# Altium PCB Pleiades_Frouf.PcbDoc (part 4 of 12)
Units mil, origin at the board's own origin, x right, y up, seen from the top; angles counter-clockwise.
Board outline 12244.09 x 4515.28 mil, 12 copper layers (TOP, GND1, IN1, GND2, POW1, GND3, POW2, GND4, GND5, IN2, GND6, BOT), stack 63.546 mil thick; 1442 components, 702 nets, 4419 pads, 1756 vias.
Unrouted connection lines stored in the file: 1088.
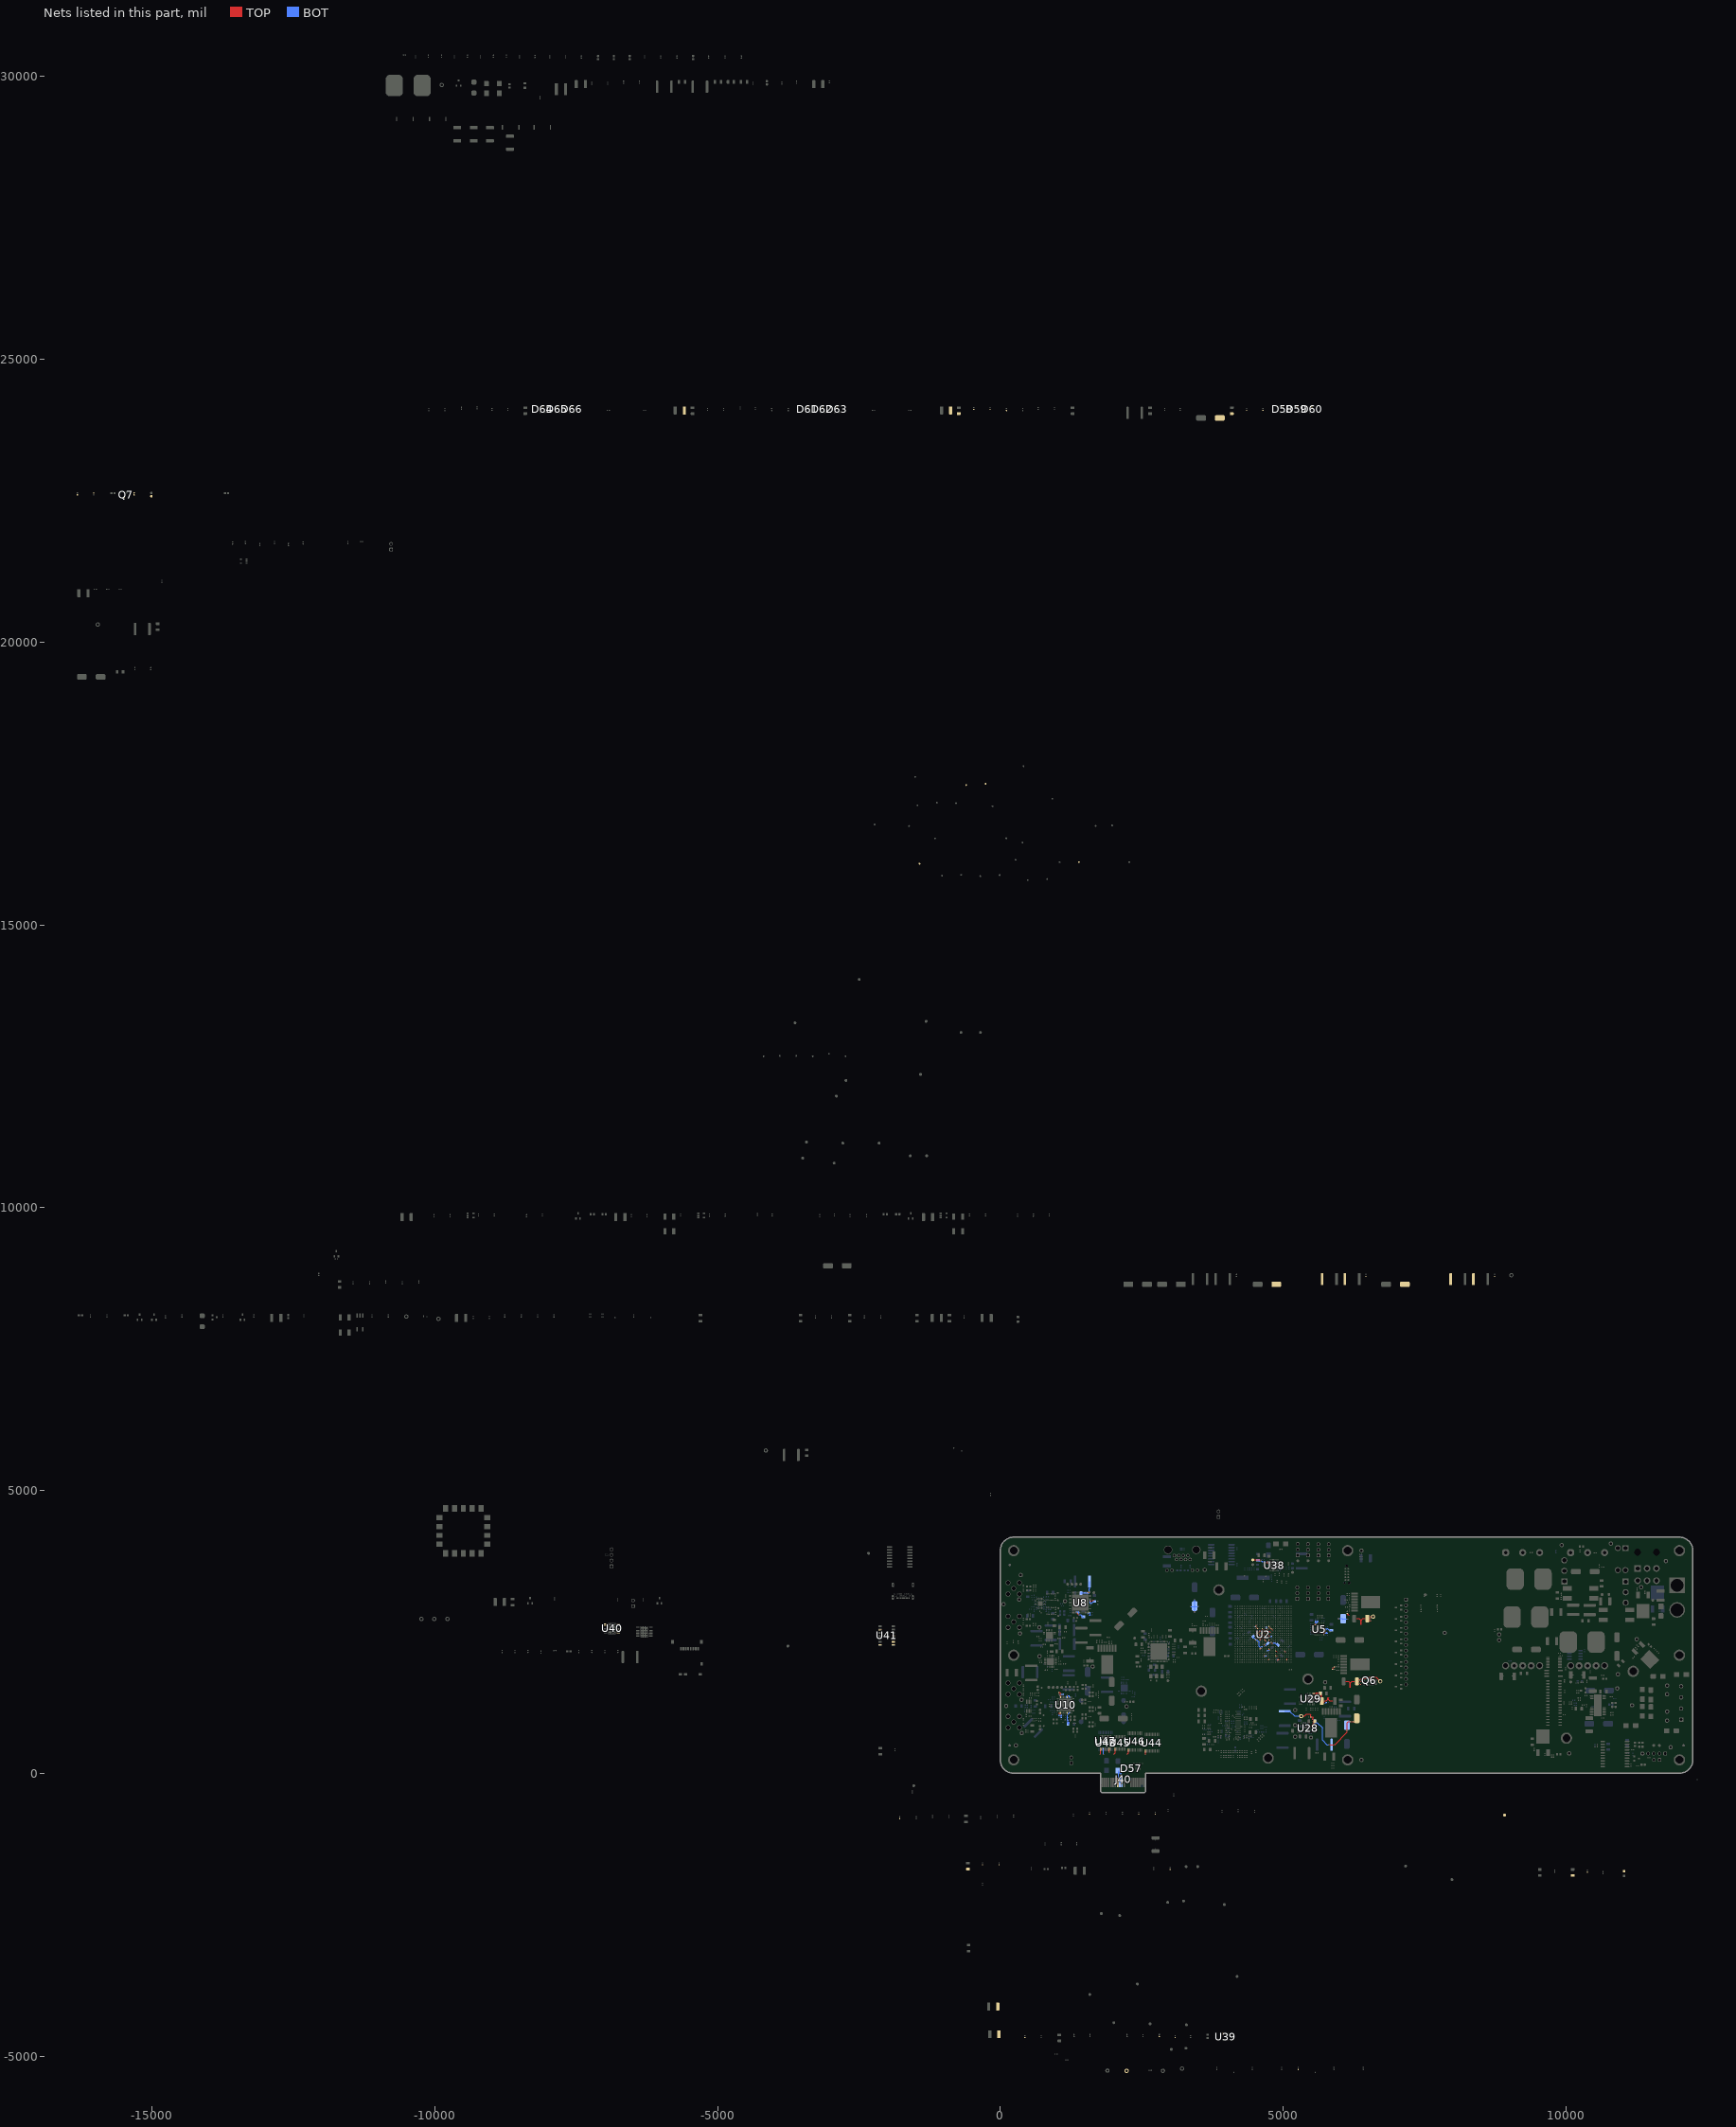
[diagram p14: the nets of this part, all layers, seen from the top]

## Footprints (in the part's own frame and the unit in brackets; to place one, negate y for a bottom-side part, rotate by r counter-clockwise, add the part's x,y. Pads: shape width x height; smd on the part's side, far side on the other; paste and mask are expansions set on the pad) (continued)
XT90 [mil]
  rect 275x275 hole 230: 1(-216.54,0)
  round 275 hole 230: 2(216.54,0)
  round 15 on Top Overlay: ""(329,0)
  silkscreen extent -500,-200 500,200, body extent -412,-197 412,197, height 819

## Part data
C1 C2 C3 C4 C219 C227 C228 C487 C502 C507 C508 C512 C544 C546 C549 C572 C603 CX15: library part CAP_CER, "C1812C102KHRACAUTO / 0402 470pF 10% X7R Ceramic Capacitor", Mfr=KEMET, Operating Temperature="-55C - 125C", Ratings=AEC-Q200, Supplier Part Number 1=80-C1812C102KHRAUTO, Temperature Coefficient=X7R, Tolerance=10%, Voltage - Rated=3kV, ComponentLink1Description=Digikey, ComponentLink1URL=https://www.digikey.com/en/products/detail/kemet/C1812C102KHRACAUTO/8109956, ComponentLink2Description=Datasheet, ComponentLink2URL=https://connect.kemet.com:7667/gateway/IntelliData-ComponentDocumentation/1.0/download/datasheet/C1812C102KHRACAUTO, ComponentLink3Description=KEMET, ComponentLink3URL=https://www.kemet.com/en/us/capacitors/ceramic/product/C1812C102KHRACAUTO.html, ComponentLink4Description=Octopart, ComponentLink4URL=https://octopart.com/c1812c102khracauto-kemet-67309371?r=sp, Features="Low ESL, High Voltage", Part#=C1812C102KHRACAUTO, Supplier 1=Mouser
C5 C10 C12 C17 C19 C24 C26 C31 C33 C38 C39 C44 C47 C52 C53 C58 C61 C66 C105 C106 C107 C108 C109 C110 C116 C117 C118 C119 C120 C121 C124 C125 C126 C129 C130 C131 C135 C136 C140 C141 C142 C145 C146 C149 C288 C289 C391 C395 C396 C418 C428 C453 C457 C458 C459 C500 C501 CX9: library part CAP_CER, "CGA3E3X7R1H474K080AB / 0603 470nF 10% X7R Ceramic Capacitor", Mfr=TDK, Operating Temperature="-55C - 125C", Ratings=AEC-Q200, Temperature Coefficient=X7R, Tolerance=10%, Voltage - Rated=50V, ComponentLink1Description=Digikey, ComponentLink2Description=Datasheet, Part#=CGA3E3X7R1H474K080AB
  C5 C10 C12 C17 C19 C24 C26 C31 C33 C38 C39 C44 C47 C52 C53 C58 C61 C66 C105 C106 C107 C108 C109 C110 C116 C117 C118 C119 C120 C121 C124 C125 C126 C129 C130 C131 C135 C136 C140 C141 C142 C145 C146 C149 C288 C289 C391 C395 C396 C418 C428 C453 C457 C458 C459 C501 CX9: ComponentLink1URL="[Digikey Link]", ComponentLink2URL="[Datasheet Link]"
  C500: ComponentLink1URL=https://www.digikey.ca/en/products/detail/murata-electronics/GCM21BR71H474KA55L/1641662, ComponentLink2URL=https://search.murata.co.jp/Ceramy/image/img/A01X/G101/ENG/GCM21BR71H474KA55-01A.pdf, ComponentLink3Description=Octopart, ComponentLink3URL=https://octopart.com/gcm21br71h474ka55l-murata-7894857, ComponentLink4Description=Murata, ComponentLink4URL=https://www.murata.com/en-us/products/productdetail?partno=GCM21BR71H474KA55%23
C6 C7 C8 C9 C13 C14 C15 C16 C20 C21 C22 C23 C27 C28 C29 C30 C34 C35 C36 C37 C40 C41 C42 C43 C48 C49 C50 C51 C54 C55 C56 C57 C62 C63 C64 C65 C67 C68 C69 C70 C71 C72 C73 C74 C75 C76 C77 C78 C79 C80 C81 C82 C83 C84 C85 C86 C87 C88 C89 C90 C91 C92 C93 C94 C95 C96 C97 C98 C246 C247 C253 C254 C262 C263 C269 C270 C309 C314 C315 C316 C317 C340 C399 C402 C410 C411 C441 C456 C514 C518 C522 C526 C574 C579 C596 C601 CX12: library part CAP_CER, "GCM155R71H473KE02J / 0402 47nF 10% X7R Ceramic Capacitor", Mfr=Murata, Operating Temperature="-55C - 125C", Ratings=AEC-Q200, Temperature Coefficient=X7R, Tolerance=10%, Voltage - Rated=50V, ComponentLink1Description=Digikey, ComponentLink1URL="[Digikey Link]", ComponentLink2Description=Datasheet, ComponentLink2URL="[Datasheet Link]", Part#=GCM155R71H473KE02J
C11 C18 C25 C32 C45 C46 C59 C60 C153 C161 C163 C181 C184 C201 C212 C274 C275 C276 C286 C287 C311 C326 C358 C398 C401 C404 C414 C434 C443 C444 C455 C466 C493 C496 C499 C534 C536 C550 C571 C573 C580 C581 C594 C595 C602 CX8: library part CAP_CER, "GCJ31CR71H105KA12L / 1206 1uF 10% X7R Ceramic Capacitor", Mfr=Murata, Operating Temperature="-55C - 125C", Ratings=AEC-Q200, Temperature Coefficient=X7R, Tolerance=10%, Voltage - Rated=50V, ComponentLink1Description=Digikey, ComponentLink2Description=Datasheet, Part#=GCJ31CR71H105KA12L
  C11 C18 C25 C32 C45 C46 C59 C60 C153 C161 C163 C181 C184 C201 C212 C274 C275 C276 C286 C287 C311 C326 C358 C398 C401 C404 C414 C434 C443 C444 C455 C466 C496 C499 C534 C536 C550 C571 C573 C580 C581 C594 C595 C602 CX8: ComponentLink1URL="[Digikey Link]", ComponentLink2URL="[Datasheet Link]"
  C493: ComponentLink1URL=https://www.digikey.ca/en/products/detail/murata-electronics/GCJ31CR71H105KA12L/10690321, ComponentLink2URL=https://search.murata.co.jp/Ceramy/image/img/A01X/G101/ENG/GCJ31CR71H105KA12-02B.pdf, ComponentLink3Description=Octopart, ComponentLink3URL=https://octopart.com/gcj31cr71h105ka12l-murata-57352446?r=sp, ComponentLink4Description=Murata, ComponentLink4URL=https://www.murata.com/en-us/products/productdetail?partno=GCJ31CR71H105KA12%23
C99 C132 C154 C156 C164 C165 C182 C185 C186 C202 C203 C204 C205 C206 C213 C214 C215 C220 C224 C235 C236 C237 C238 C239 C244 C245 C251 C252 C260 C261 C267 C268 C303 C308 C312 C313 C327 C339 C342 C343 C344 C347 C349 C356 C357 C359 C360 C361 C367 C368 C372 C373 C374 C376 C377 C378 C379 C380 C382 C383 C385 C386 C409 C419 C422 C423 C426 C427 C429 C431 C439 C448 C464 C471 C476 C477 C478 C479 C480 C484 C485 C486 C491 C494 C495 C497 C498 C504 C505 C506 C513 C517 C520 C521 C525 C528 C529 C532 C533 C535 C537 C538 C539 C540 C541 C542 C543 C545 C547 C548 C551 C552 C559 C560 C563 C564 C569 C570 C582 C583 C592 C593 CX11: library part CAP_CER, "GCM155R71H104KE02J / 0402 100nF 10% X7R Ceramic Capacitor", Mfr=Murata, Operating Temperature="-55C - 125C", Ratings=AEC-Q200, Temperature Coefficient=X7R, Tolerance=10%, Voltage - Rated=50V, ComponentLink1Description=Digikey, ComponentLink1URL="[Digikey Link]", ComponentLink2Description=Datasheet, ComponentLink2URL="[Datasheet Link]", Part#=GCM155R71H104KE02J
C100 C371 C375 C381 C489 C492 C503 CX13: library part CAP_CER, "GA343DR7GD472KW01L / 0402 4.7nF 10% X7R 1812 250VAC Ceramic Capacitor", Mfr=Murata, Operating Temperature="-55C - 125C", Ratings="Y3 - Safety", Temperature Coefficient=X7R, Tolerance=10%, Voltage - Rated=250V, ComponentLink1Description=Digikey, ComponentLink1URL=https://www.digikey.ca/en/products/detail/murata-electronics/GA343DR7GD472KW01L/789292, ComponentLink2Description=Datasheet, ComponentLink2URL=https://search.murata.co.jp/Ceramy/image/img/A01X/G101/ENG/GA343DR7GD472KW01-01.pdf, ComponentLink3Description=Octopart, ComponentLink3URL=https://octopart.com/ga343dr7gd472kw01l-murata-197048?r=sp, Part#=GA343DR7GD472KW01L
  C100 C371 C375 C381 C503 CX13: ComponentLink4Description=Murata, ComponentLink4URL=https://www.murata.com/en-us/products/productdetail?partno=GA343DR7GD472KW01%23
C101 C223 C233 C234 C243 C250 C259 C266 C307 C338 C365 C366 C384 C397 C400 C421 C425 C442 C445 C446 C447 C454 C483 C531 C558 C562 CX6: library part CAP_CER, "GRT31CR61H106KE01L / 1206 10uF 10% X5R Ceramic Capacitor", Mfr=Murata, Operating Temperature="-55C - 85C", Ratings=AEC-Q200, Supplier Part Number 1=GRT31CR61H106KE01L, Temperature Coefficient=X5R, Tolerance=10%, Voltage - Rated=50V, ComponentLink1Description=Digikey, ComponentLink1URL="[Digikey Link]", ComponentLink2Description=Datasheet, ComponentLink2URL="[Datasheet Link]", Part#=GRT31CR61H106KE01L, Supplier 1="Arrow Electronics"
C102 C111 C112 C122 C127 C138 C143 C222 C232 C353 C354 C405 C406 C412 C415 C435 C436 C460 C467 C468 C472 C482 C561 CX2: library part CAP_ALU_MAL215099101E3, "CAP - ALU 100uF 20% 50V - 1010", Current=490mA, Package=1010, Supplier Part Number 1=4399PHDKR-ND, Temperature="-55°C to 125°C", Voltage=50V, CreatedBy="Jonathan Bouchard", HelpURL=http://www.vishay.com/docs/28395/150crz.pdf, Mfg="Vishay Dale", Mfg Part Number=MAL215099101E3, Precision=20%, Supplier 1=Digikey
C103 C104 C113 C114 C115 C123 C128 C134 C139 C144 C148 CX4: library part CAP_CER, "CGA8L2X7R1E475M160KA / 1812 4.7uF 20% X7R Ceramic Capacitor", Mfr=TDK, Operating Temperature="-55C - 125C", Ratings=AEC-Q200, Supplier Part Number 1=57AK9414, Temperature Coefficient=X7R, Tolerance=20%, Voltage - Rated=25V, ComponentLink1Description=Digikey, ComponentLink1URL=https://www.digikey.ca/en/products/detail/tdk-corporation/CGA9N1X7R1V476M230KC/15930202, ComponentLink2Description=Datasheet, ComponentLink2URL=https://product.tdk.com/system/files/dam/doc/product/capacitor/ceramic/mlcc/catalog/mlcc_automotive_general_en.pdf, ComponentLink3Description=TDK, ComponentLink3URL=https://product.tdk.com/en/search/capacitor/ceramic/mlcc/info?part_no=CGA9N1X7R1V476M230KC, ComponentLink4Description=Octopart, ComponentLink4URL=https://octopart.com/cga9n1x7r1v476m230kc-tdk-122377816?r=sp, Part#=CGA9N1X7R1V476M230KC, Supplier 1=Newark
C151: library part CAP_CER, Temperature Coefficient=X7R, Voltage - Rated=25V, ComponentLink1Description=Digikey, ComponentLink1URL="[Digikey Link]", ComponentLink2Description=Datasheet, ComponentLink2URL="[Datasheet Link]"
C152: library part CAP_CER, "0402 100nF X7R Ceramic Capacitor", Temperature Coefficient=X7R, Voltage - Rated=50V, ComponentLink1Description=Digikey, ComponentLink1URL="[Digikey Link]", ComponentLink2Description=Datasheet, ComponentLink2URL="[Datasheet Link]"
C155 C159 C160 C162 C180 C183 C230 C355 C488 C490 C509: library part CAP_CER, "GRT31CR61H106KE01L / 1206 10uF 10% X5R Ceramic Capacitor", Mfr=Murata, Operating Temperature="-55C - 85C", Ratings=AEC-Q200, Temperature Coefficient=X5R, Tolerance=10%, Voltage - Rated=50V, ComponentLink1Description=Digikey, ComponentLink2Description=Datasheet, Part#=GRT31CR61H106KE01L
  C155 C159 C160 C162 C180 C183 C230 C355 C490 C509: ComponentLink1URL="[Digikey Link]", ComponentLink2URL="[Datasheet Link]"
  C488: ComponentLink1URL=https://www.digikey.ca/en/products/detail/murata-electronics/GRT31CR61H106KE01L/5416878, ComponentLink2URL=https://search.murata.co.jp/Ceramy/image/img/A01X/G101/ENG/GRT31CR61H106KE01-01.pdf, ComponentLink3Description=Octopart, ComponentLink3URL=https://octopart.com/grt31cr61h106ke01l-murata-62921736, ComponentLink4Description=Murata, ComponentLink4URL=https://www.murata.com/en-us/products/productdetail?partno=GRT31CR61H106KE01%23
C157 C166 C167 C168 C187 C188 C189 C207 C208 C209 C210 C211 C216 C217 C218 C248 C249 C255 C256 C264 C265 C271 C272 C296 C297 C298 C299 C300 C301 C302 C304 C305 C306 C310 C318 C319 C320 C321 C328 C329 C330 C331 C332 C341 C350 C351 C352 C362 C363 C369 C370 C387 C430 C432 C449 C515 C519 C523 C527 C553 C554 C567 C568 C575 C578 C584 C585 C590 C591 C597 C600 CX14: library part CAP_CER, "GCM155R72A102KA37D / 0402 1nF 10% X7R Ceramic Capacitor", Mfr=Murata, Operating Temperature="-55C - 125C", Ratings=AEC-Q200, Temperature Coefficient=X7R, Tolerance=10%, Voltage - Rated=100V, ComponentLink1Description=Digikey, ComponentLink1URL="[Digikey Link]", ComponentLink2Description=Datasheet, ComponentLink2URL="[Datasheet Link]", Part#=GCM155R72A102KA37D
C158 C241 C242 C257 C258 C294 C295 C322 C323 C324 C325 C333 C334 C335 C336 C337 C555 C556 C565 C566 C576 C577 C586 C587 C588 C589 C598 C599 CX17: library part CAP_CER, "GCM155R72A331KA37D / 0402 330pF 10% X7R Ceramic Capacitor", Mfr=Murata, Operating Temperature="-55C - 125C", Ratings=AEC-Q200, Supplier Part Number 1=GCM155R72A331KA37D, Temperature Coefficient=X7R, Tolerance=10%, Voltage - Rated=100V, ComponentLink1Description=Digikey, ComponentLink1URL=https://www.digikey.ca/en/products/detail/murata-electronics/GCM155R72A331KA37D/2591348, ComponentLink2Description=Datasheet, ComponentLink2URL=https://search.murata.co.jp/Ceramy/image/img/A01X/G101/ENG/GCM155R72A331KA37-01A.pdf, ComponentLink3Description=Murata, ComponentLink3URL=https://www.murata.com/en-us/products/productdetail?partno=GCM155R72A331KA37%23, ComponentLink4Description=Octopart, ComponentLink4URL=https://octopart.com/gcm155r72a331ka37d-murata-18331888?r=sp, Part#=GCM155R72A331KA37D, Supplier 1="Arrow Electronics"
C169 C170 C171 C190 C191 C192 C240 C277 C278 C279 C280 C290 C291 CX16: library part CAP_CER, "GCM155R71H471KA37J / 0402 470pF 10% X7R Ceramic Capacitor", Mfr=Murata, Operating Temperature="-55C - 125C", Ratings=AEC-Q200, Temperature Coefficient=X7R, Tolerance=10%, Voltage - Rated=50V, ComponentLink1Description=Digikey, ComponentLink1URL=https://www.digikey.ca/en/products/detail/murata-electronics/GCM155R71H471KA37J/2591324, ComponentLink2Description=Datasheet, ComponentLink2URL=https://search.murata.co.jp/Ceramy/image/img/A01X/G101/ENG/GCM155R71H471KA37-01A.pdf, ComponentLink3Description=Murata, ComponentLink3URL=https://www.murata.com/en-us/products/productdetail?partno=GCM155R71H471KA37%23, ComponentLink4Description=Octopart, ComponentLink4URL=https://octopart.com/gcm155r71h471ka37j-murata-17803389?r=sp, Part#=GCM155R71H471KA37J
C172 C173 C174 C175 C193 C194 C195 C196 C281 C282 C283 C284 C292 C293 CX18: library part CAP_CER, "0201 68pF 5% C0G 50V Ceramic Capacitor / CGA1A2C0G1H680J030BA", Mfr=TDK, Operating Temperature="-55C - 125C", Ratings=AEC-Q200, Supplier Part Number 1=CGA1A2C0G1H680J030BA, Temperature Coefficient=C0G, Tolerance=5%, Voltage - Rated=50V, ComponentLink1Description=Digikey, ComponentLink1URL=https://www.digikey.ca/en/products/detail/tdk-corporation/CGA1A2C0G1H680J030BA/3648597, ComponentLink2Description=Datasheet, ComponentLink2URL=https://product.tdk.com/system/files/dam/doc/product/capacitor/ceramic/mlcc/charasheet/cga1a2c0g1h680j030ba.pdf, ComponentLink3Description=Octopart, ComponentLink3URL=https://octopart.com/cga1a2c0g1h680j030ba-tdk-26014371?r=sp, ComponentLink4Description=TDK, ComponentLink4URL=https://product.tdk.com/en/search/capacitor/ceramic/mlcc/info?part_no=CGA1A2C0G1H680J030BA, Part#=CGA1A2C0G1H680J030BA, Supplier 1="Arrow Electronics"
C176 C177 C178 C179 C197 C198 C199 C200 C530 CX19: library part CAP_CER, "0402 22pF 10% X7R 16V Ceramic Capacitor / C0402C220K4RACAUTO", Mfr=KEMET, Operating Temperature="-55C - 125C", Ratings=AEC-Q200, Supplier Part Number 1=80-C0402C220K4RAUTO, Temperature Coefficient=X7R, Tolerance=10%, Voltage - Rated=16V, ComponentLink1Description=Digikey, ComponentLink1URL=https://www.digikey.ca/en/products/detail/kemet/c0402c220k4racauto/11676432, ComponentLink2Description=Datasheet, ComponentLink2URL=https://connect.kemet.com:7667/gateway/IntelliData-ComponentDocumentation/1.0/download/datasheet/C0402C220K4RACAUTO, ComponentLink3Description=Octopart, ComponentLink3URL=https://octopart.com/c0402c220k4racauto-kemet-91893749?r=sp, ComponentLink4Description=Kemet, ComponentLink4URL=https://www.kemet.com/en/us/capacitors/ceramic/product/C0402C220K4RACAUTO.html, ComponentLink5Description=Specsheet, ComponentLink5URL=https://search.kemet.com/component-documentation/download/specsheet/C0402C220K4RACAUTO, Part#=C0402C220K4RACAUTO, Supplier 1=Mouser
C221 C231 C481 CX1: library part CAP_ALU_MAL214699108E3, "CAP - ALU 470uF 20% 50V - 1616", Current=1.3A, Package=1616, Supplier Part Number 1=4442PHCT-ND, Temperature="-55°C to 125°C", Voltage=50V, CreatedBy="Jonathan Bouchard", HelpURL=http://www.vishay.com/docs/28403/146cti.pdf, Mfg="Vishay Dale", Mfg Part Number=MAL214699108E3, Precision=20%, Supplier 1=Digikey
C225 C226 C440 C524 CX7: library part CAP_CER, "GRT31CR71H225KE13L / 1206 2.2uF 10% X7R Ceramic Capacitor", Mfr=Murata, Operating Temperature="-55C - 125C", Ratings=AEC-Q200, Temperature Coefficient=X7R, Tolerance=10%, Voltage - Rated=50V, ComponentLink1Description=Digikey, ComponentLink1URL=https://www.digikey.ca/en/products/detail/murata-electronics/GRT31CR71H225KE13L/10700891, ComponentLink2Description=Datasheet, ComponentLink2URL=https://search.murata.co.jp/Ceramy/image/img/A01X/G101/ENG/GRT31CR71H225KE13-01A.pdf, ComponentLink3Description=Octopart, ComponentLink3URL=https://octopart.com/grt31cr71h225ke13l-murata-76584457?r=sp, ComponentLink4Description=Murata, ComponentLink4URL=https://www.murata.com/en-us/products/productdetail?partno=GRT31CR71H225KE13%23, Part#=GRT31CR71H225KE13L
C273 C285 C388 C389 C390 C392 C393 C394 C403 C407 C408 C413 C417 C433 C437 C438 C450 C451 C452 C462 C463 C465 C469 C470 C474 C475 C516 CX5: library part CAP_CER, "CGA9P3X7R1H226M250KB / 2220 22uF 20% X7R Ceramic Capacitor", Mfr=TDK, Operating Temperature="-55C - 125C", Ratings=AEC-Q200, Supplier Part Number 1=CGA9P3X7R1H226M250KB, Temperature Coefficient=X7R, Tolerance=20%, Voltage - Rated=50V, ComponentLink1Description=Digikey, ComponentLink1URL=https://www.digikey.ca/en/products/detail/tdk-corporation/CGA9P3X7R1H226M250KB/10240627, ComponentLink2Description=Datasheet, ComponentLink2URL=https://product.tdk.com/system/files/dam/doc/product/capacitor/ceramic/mlcc/charasheet/cga9p3x7r1h226m250kb.pdf, ComponentLink3Description=TDK, ComponentLink3URL=https://product.tdk.com/en/search/capacitor/ceramic/mlcc/info?part_no=CGA9P3X7R1H226M250KB, ComponentLink4Description=Octopart, ComponentLink4URL=https://octopart.com/cga9p3x7r1h226m250kb-tdk-102764996?r=sp, Part#=CGA9P3X7R1H226M250KB, Supplier 1="Arrow Electronics"
C345 C346 C348 C364 CX10: library part CAP_CER, "GCM188R71H224KA64D / 0603 220nF 10% X7R Ceramic Capacitor", Mfr=Murata, Operating Temperature="-55C - 125C", Ratings=AEC-Q200, Temperature Coefficient=X7R, Tolerance=10%, Voltage - Rated=50V, ComponentLink1Description=Digikey, ComponentLink1URL="[Digikey Link]", ComponentLink2Description=Datasheet, ComponentLink2URL="[Datasheet Link]", Part#=GCM188R71H224KA64D
C416 C424 C557 CX3: library part CAP_CER, "CGA9N1X7R1V476M230KC / 2220 47uF 20% X7R Ceramic Capacitor", Mfr=TDK, Operating Temperature="-55C - 125C", Ratings=AEC-Q200, Supplier Part Number 1=57AK9414, Temperature Coefficient=X7R, Tolerance=20%, Voltage - Rated=35V, ComponentLink1Description=Digikey, ComponentLink1URL=https://www.digikey.ca/en/products/detail/tdk-corporation/CGA9N1X7R1V476M230KC/15930202, ComponentLink2Description=Datasheet, ComponentLink2URL=https://product.tdk.com/system/files/dam/doc/product/capacitor/ceramic/mlcc/catalog/mlcc_automotive_general_en.pdf, ComponentLink3Description=TDK, ComponentLink3URL=https://product.tdk.com/en/search/capacitor/ceramic/mlcc/info?part_no=CGA9N1X7R1V476M230KC, ComponentLink4Description=Octopart, ComponentLink4URL=https://octopart.com/cga9n1x7r1v476m230kc-tdk-122377816?r=sp, Part#=CGA9N1X7R1V476M230KC, Supplier 1=Newark
C510 C511: library part CAP_CER, "0402 22pF X7R Ceramic Capacitor / C0402C220K4RACAUTO", Temperature Coefficient=X7R, Voltage - Rated=16V, ComponentLink1Description=Digikey, ComponentLink1URL="[Digikey Link]", ComponentLink2Description=Datasheet, ComponentLink2URL="[Datasheet Link]"
D1 D2 D19 D22 D25 D26 D27 D28 D29 D30 D31 D32 D36 D38 D39 D58 D59 D60 D61 D62 D63 D64 D65 D66 DX4: library part DIODE_TVS_DUAL, "Diode Array 1 Pair Series Connection 75 V 300mA (DC) Surface Mount TO-236-3, SC-59, SOT-23-3", Capacitance=2pF, Current=300mA, Current - Reverse Leakage="2.5µA @ 75V", Mfr="Diodes Incorporated", Operating Temperature="-65C - 150C", Package / Case=SOT-23-3, Supplier Part Number 1=3851920, Voltage - DC Reverse=75V, Voltage - Forward="1.25V @ 150mA", ComponentLink1Description=Digikey, ComponentLink1URL=https://www.digikey.ca/en/products/detail/diodes-incorporated/BAV99-7-F/815018, ComponentLink2Description=Datasheet, ComponentLink2URL=https://www.diodes.com/assets/Datasheets/BAV99.pdf, ComponentLink3Description=Octopart, ComponentLink3URL=https://octopart.com/bav99-7-f-diodes+inc.-326328, Reverse Recovery Time=4ns, Supplier 1="Future Electronics"
D3 D10 D11 D12 D13 D52 D53 DX1: library part DIODE_TVS, "53.3V Clamp 11.3A Ipp Tvs Diode Surface Mount SMB", Current=11.3A, Mfr=SMBJ33CAQ-13-F, Package / Case=SMB, Voltage - Breakdown=36.7V, Voltage - Reverse=33V, ComponentLink1Description=Digikey, ComponentLink1URL=https://www.digikey.ca/en/products/detail/diodes-incorporated/SMBJ33CAQ-13-F/9738859
D4 D5 D33 D34 D40 D45 D46 D47 D48 D49 D50 D51 D54 D55: library part LED_SML-311UTT86, "LED - 620nM RED 2mA - 0603", Current=2mA, Mfg Part Number=SML-311UTT86, Package=0603, Power=44mW, Supplier Part Number 1=511-1304-1-ND, Temperature="-30°C to 85°C", Voltage=1.8V, CreatedBy="Jonathan Bouchard", HelpURL=http://media.digikey.com/pdf/Data%20Sheets/Rohm%20PDFs/SML-311%20Series.pdf, Mfg="ROHM Semiconductor", Supplier 1=Digikey
D6 D7 D8 D9: library part TVS_DATA_TPD1E1B04DPYR, "TVS - TVS DIODE 3.6V 8.5V - 0402", Current Rating=6.3Apeak, Manufacturer #1="Texas Instruments", Package=0402, Power Max=50Wpeak, Supplier Part Number 1=296-47364-1-ND, Temperature="-40°C ~ 125°C (TA)", Voltage Rating=3.6V, Assembly Type=SMD, CreatedBy/Date="Keven Deslandes - 2018/10/19", Cryo=UNKNOWN, GRAMS Lib Spec=2.8, HelpURL=http://www.ti.com/lit/ds/symlink/tpd1e1b04.pdf, Magnetic Material=Unknown, Part Number #1=TPD1E1B04DPYR, Polarized=No, Supplier 1=Digi-Key, VerifiedBy="Caroline Paulin - 28 janv 2019"